# Altium PCB PCB1.PcbDoc
Units mil, origin at the board's own origin, x right, y up, seen from the top; angles counter-clockwise.
Board outline 1968.5 x 1865.39 mil, 6 copper layers (Top Layer, GND02, SIG03, PWR04, GND05, Bottom Layer), stack 59.435 mil thick; 121 components, 81 nets, 405 pads, 225 vias.
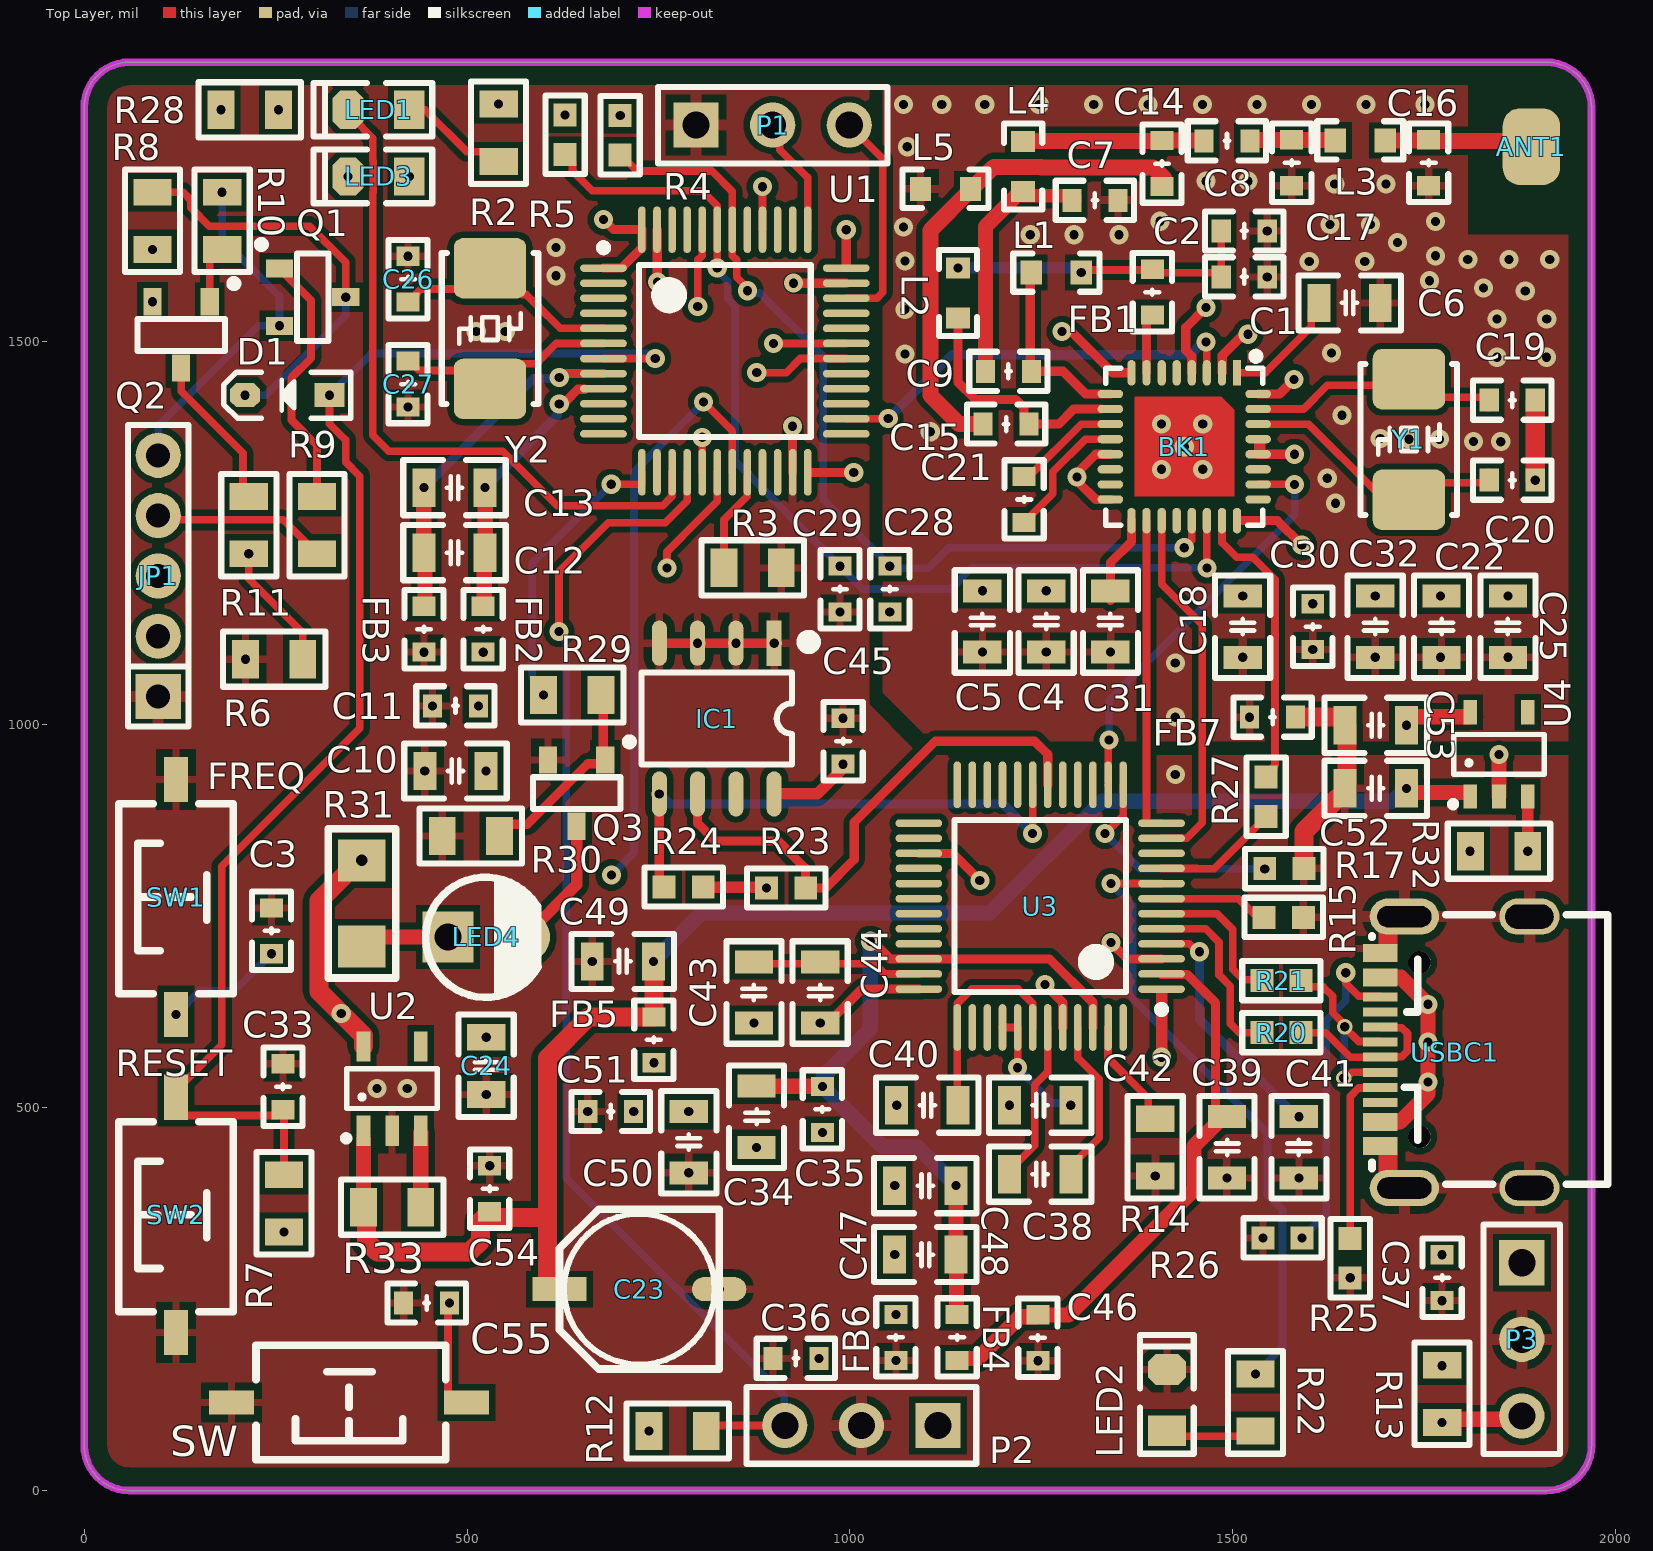
[diagram p0: Top Layer view]
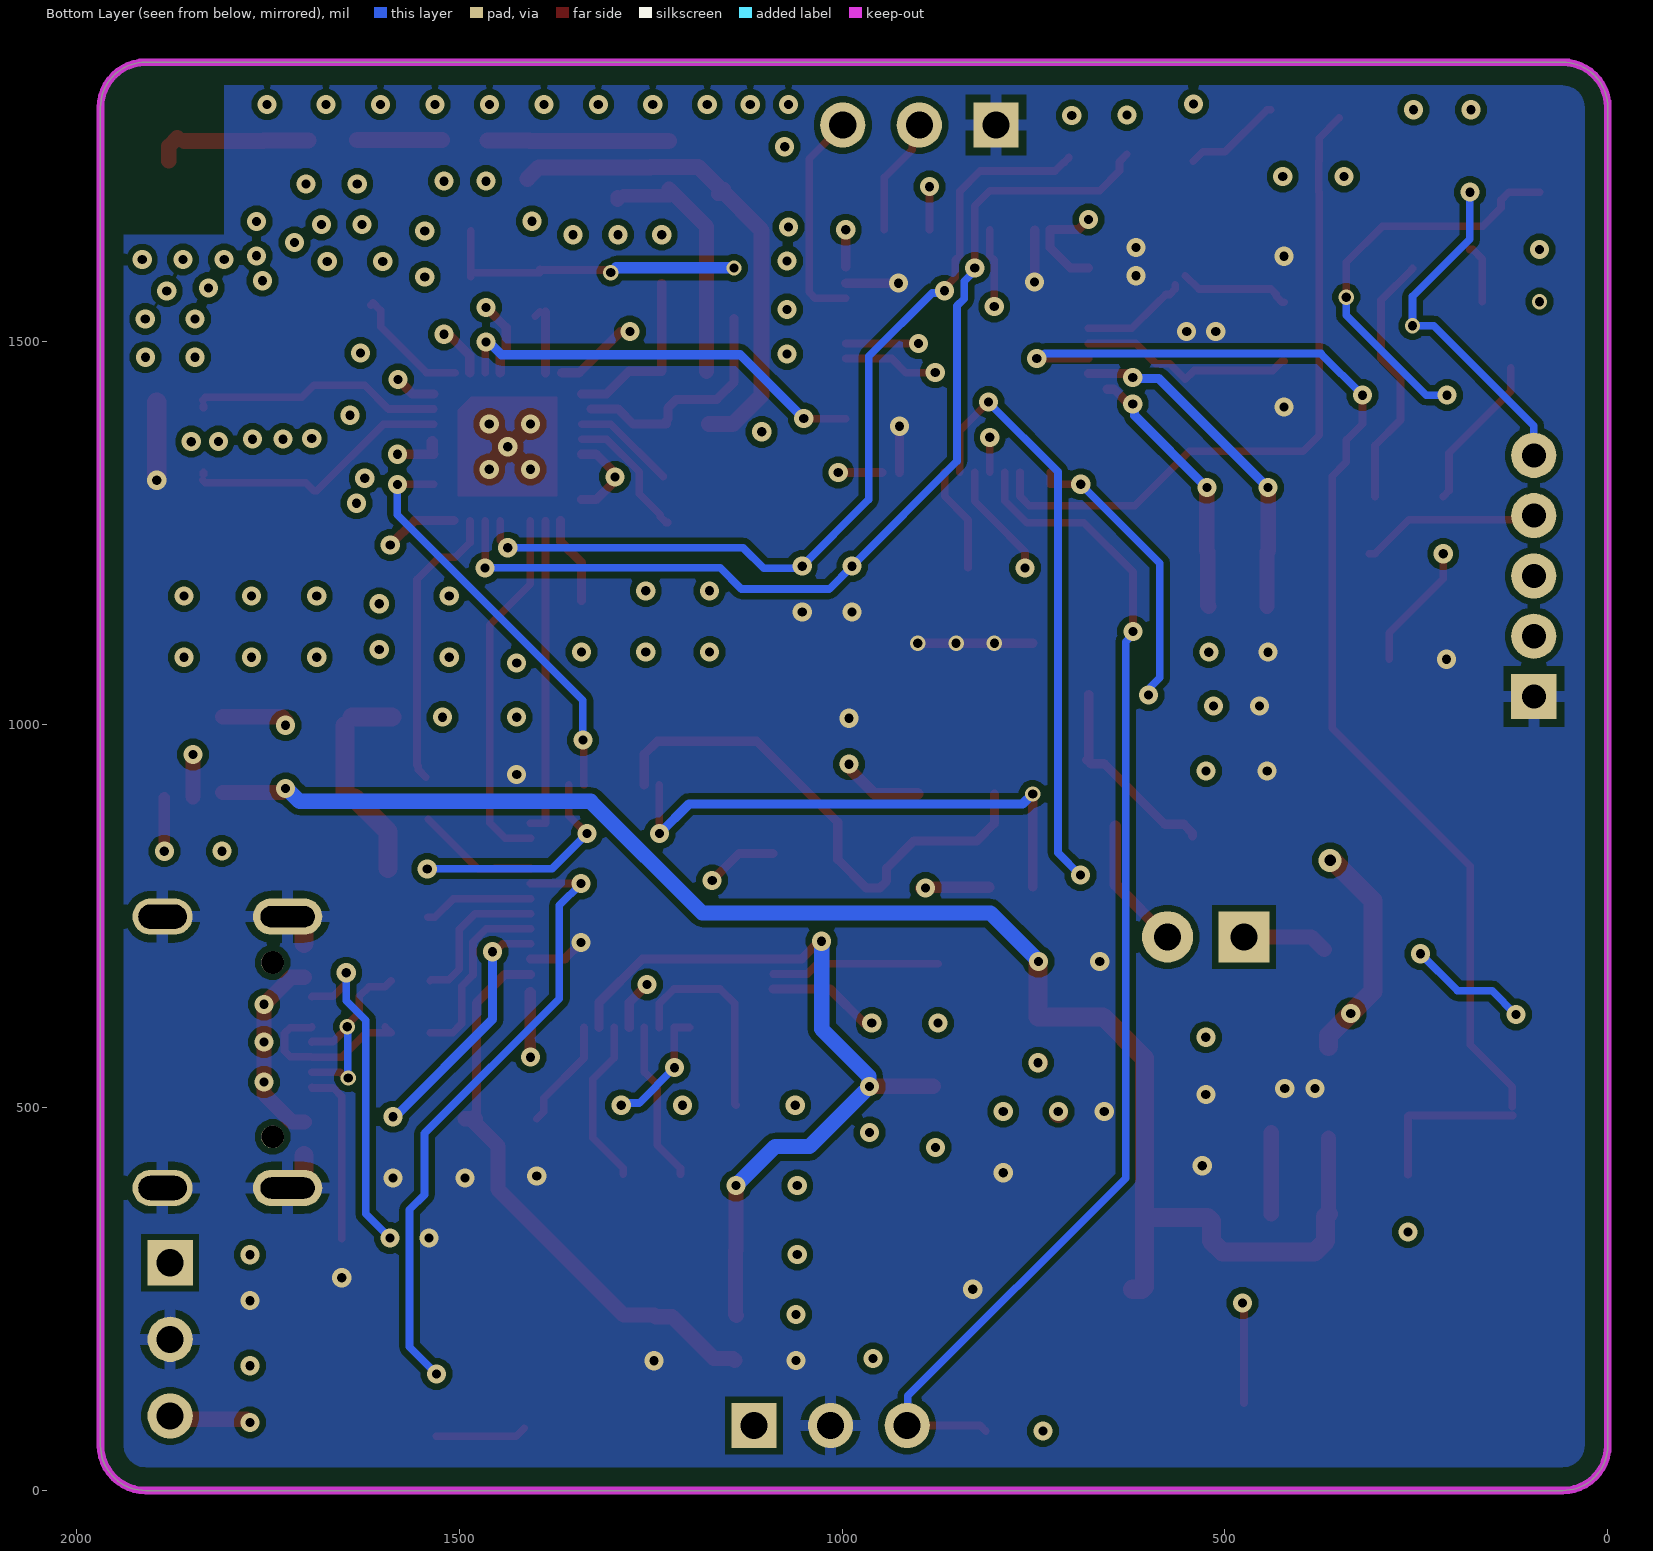
[diagram p1: Bottom Layer view, seen from below]
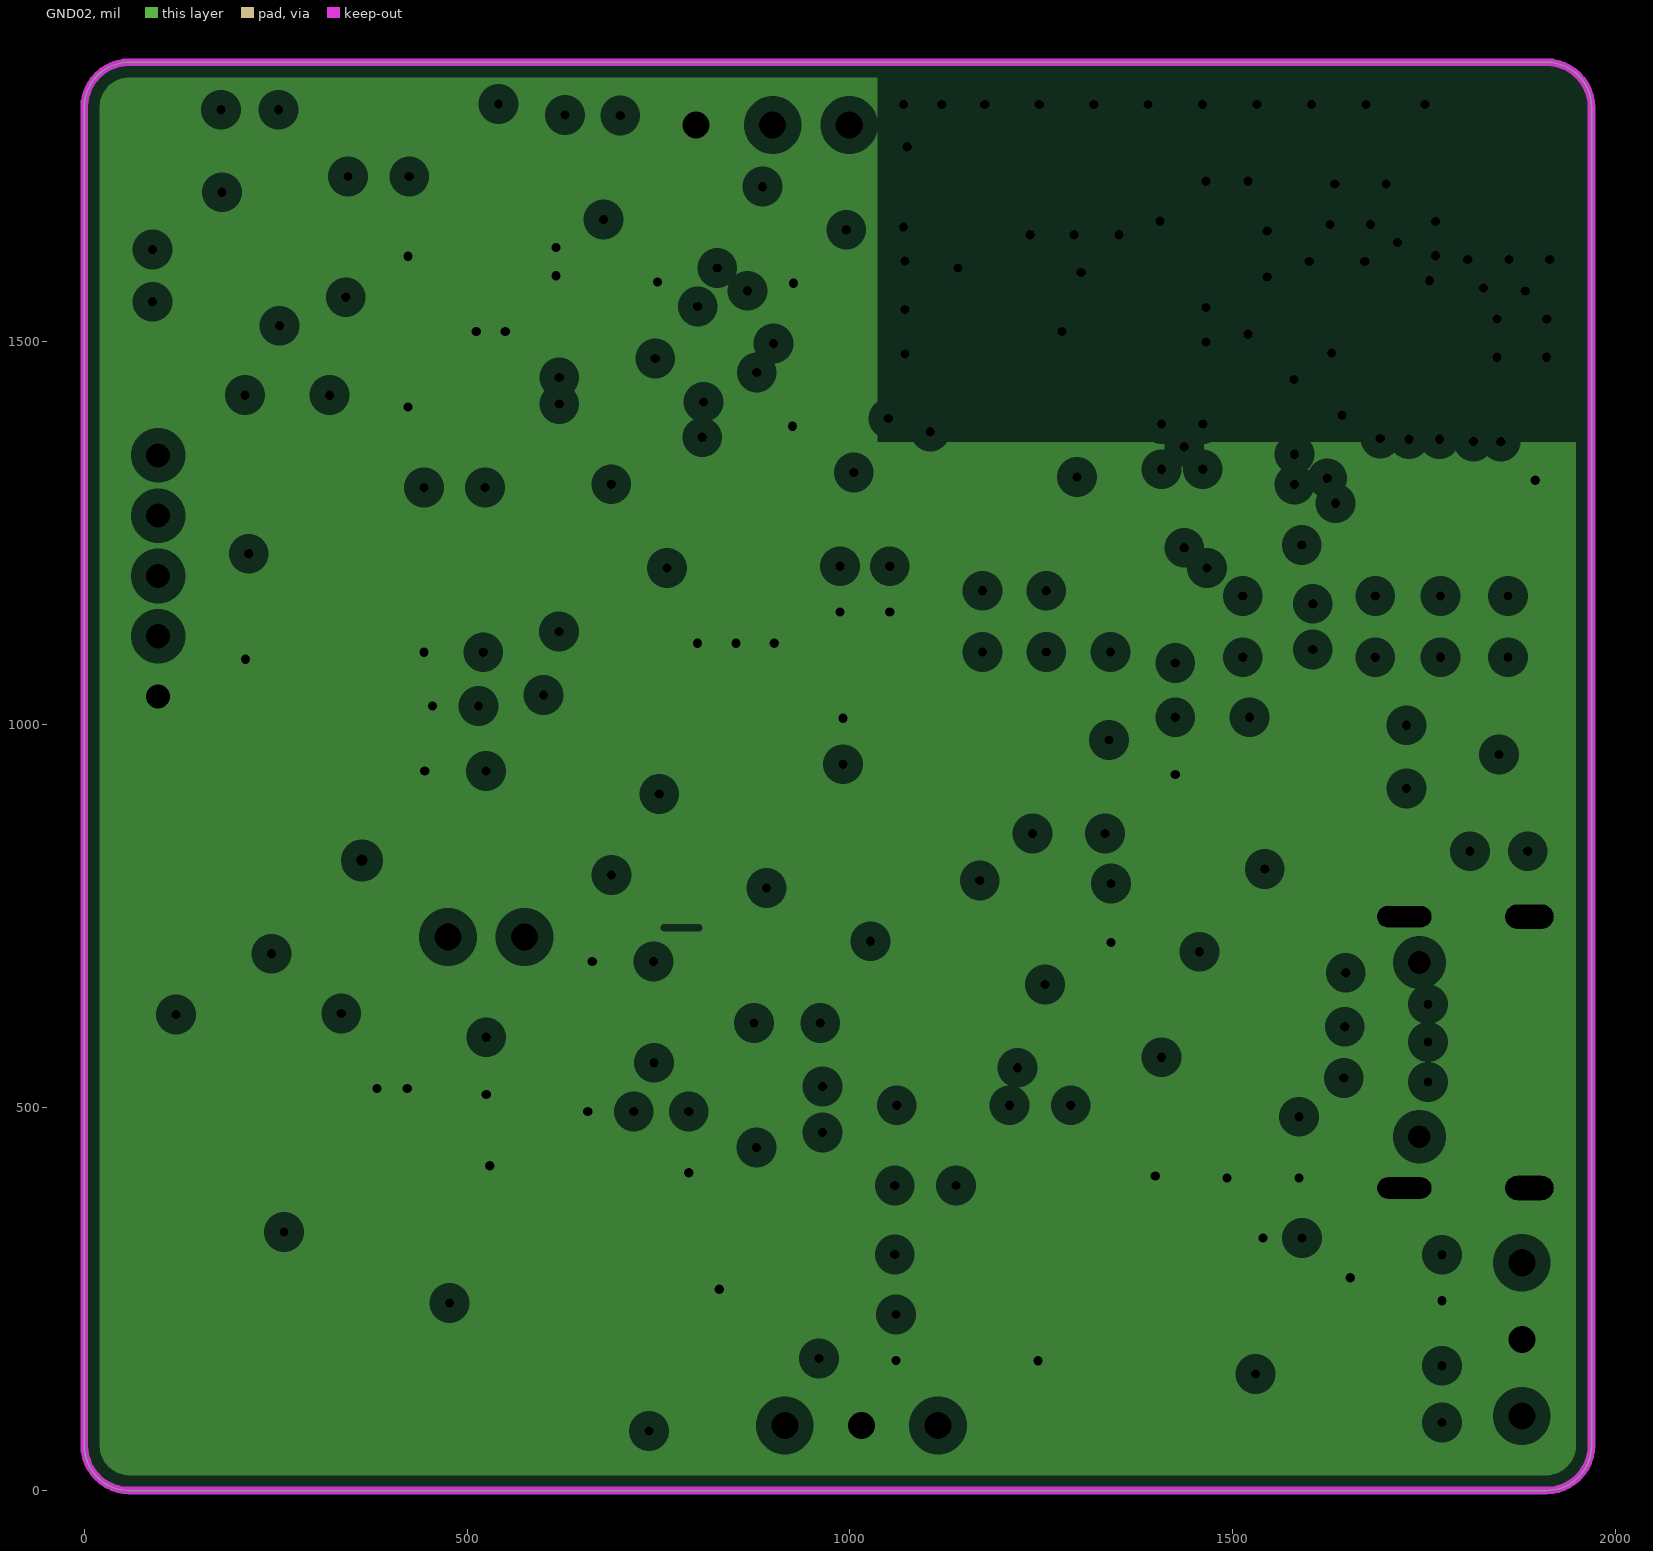
[diagram p2: GND02, clearances drawn from the general rule]
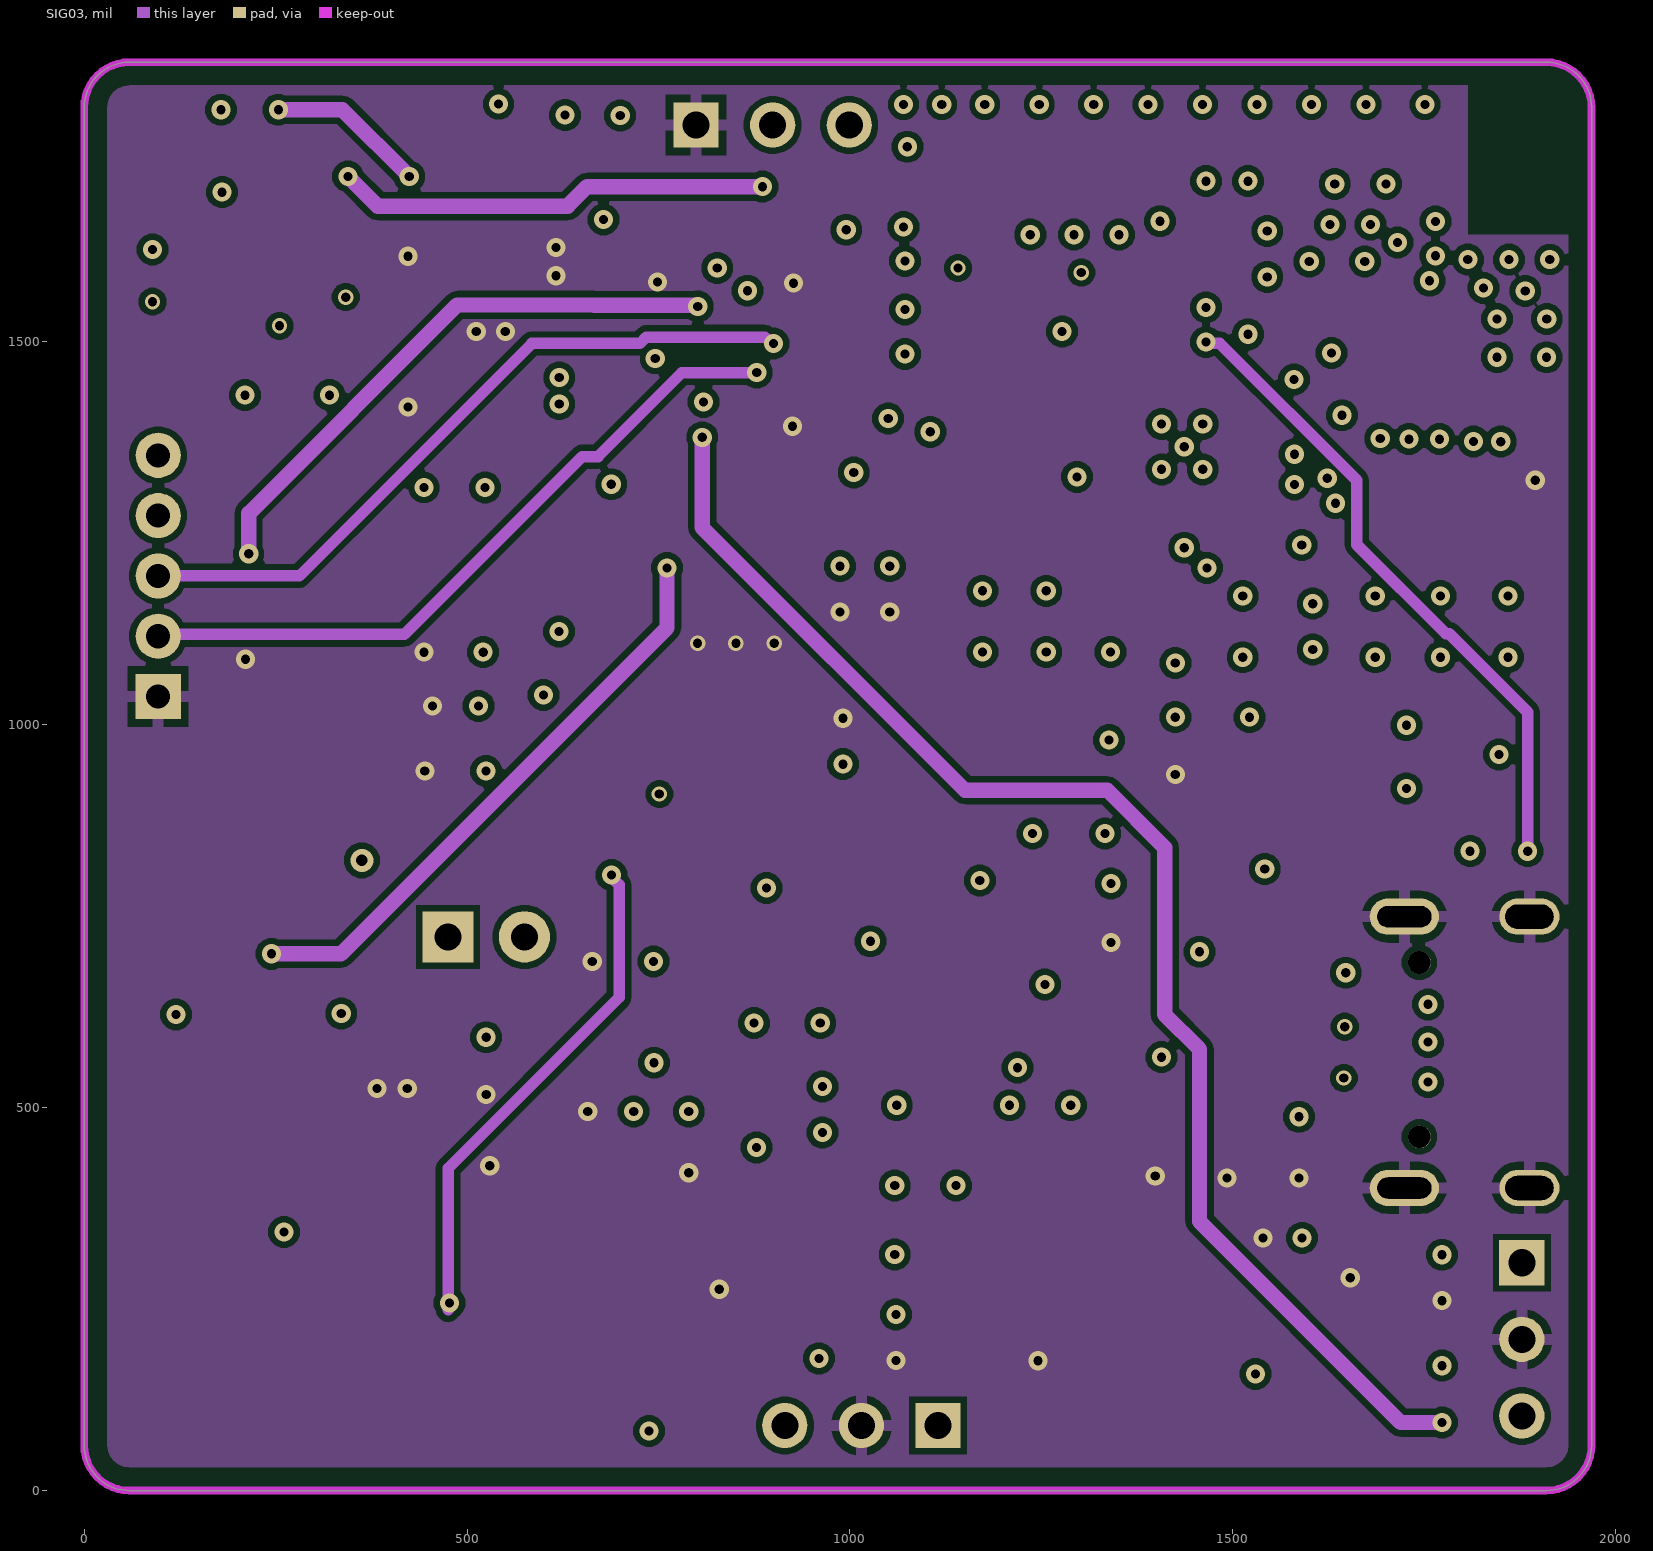
[diagram p3: SIG03]
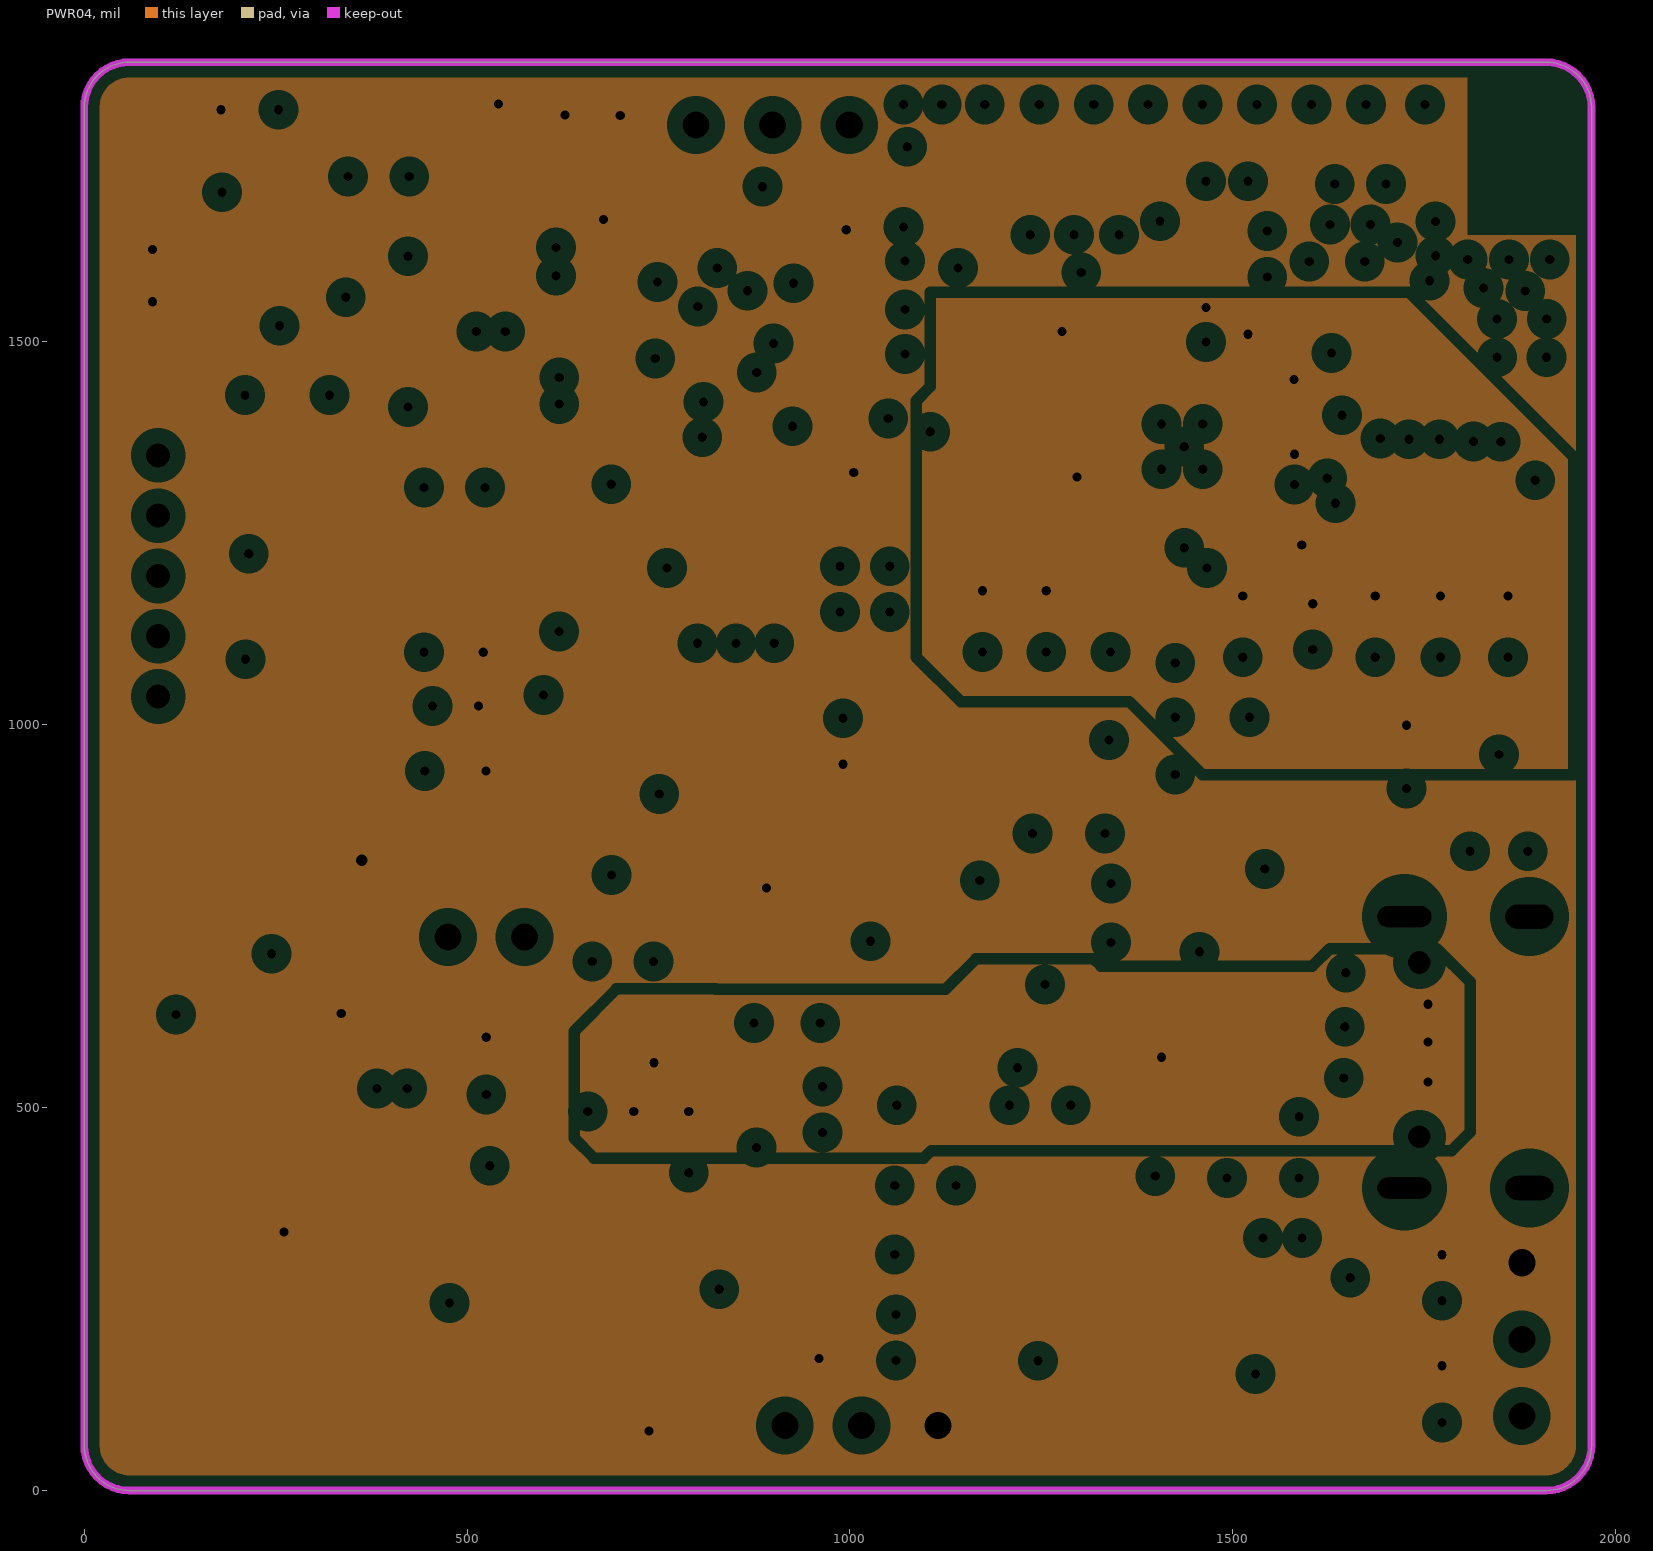
[diagram p4: PWR04, clearances drawn from the general rule]